# KiCad board pedalboard-hw.kicad_pcb (continued)
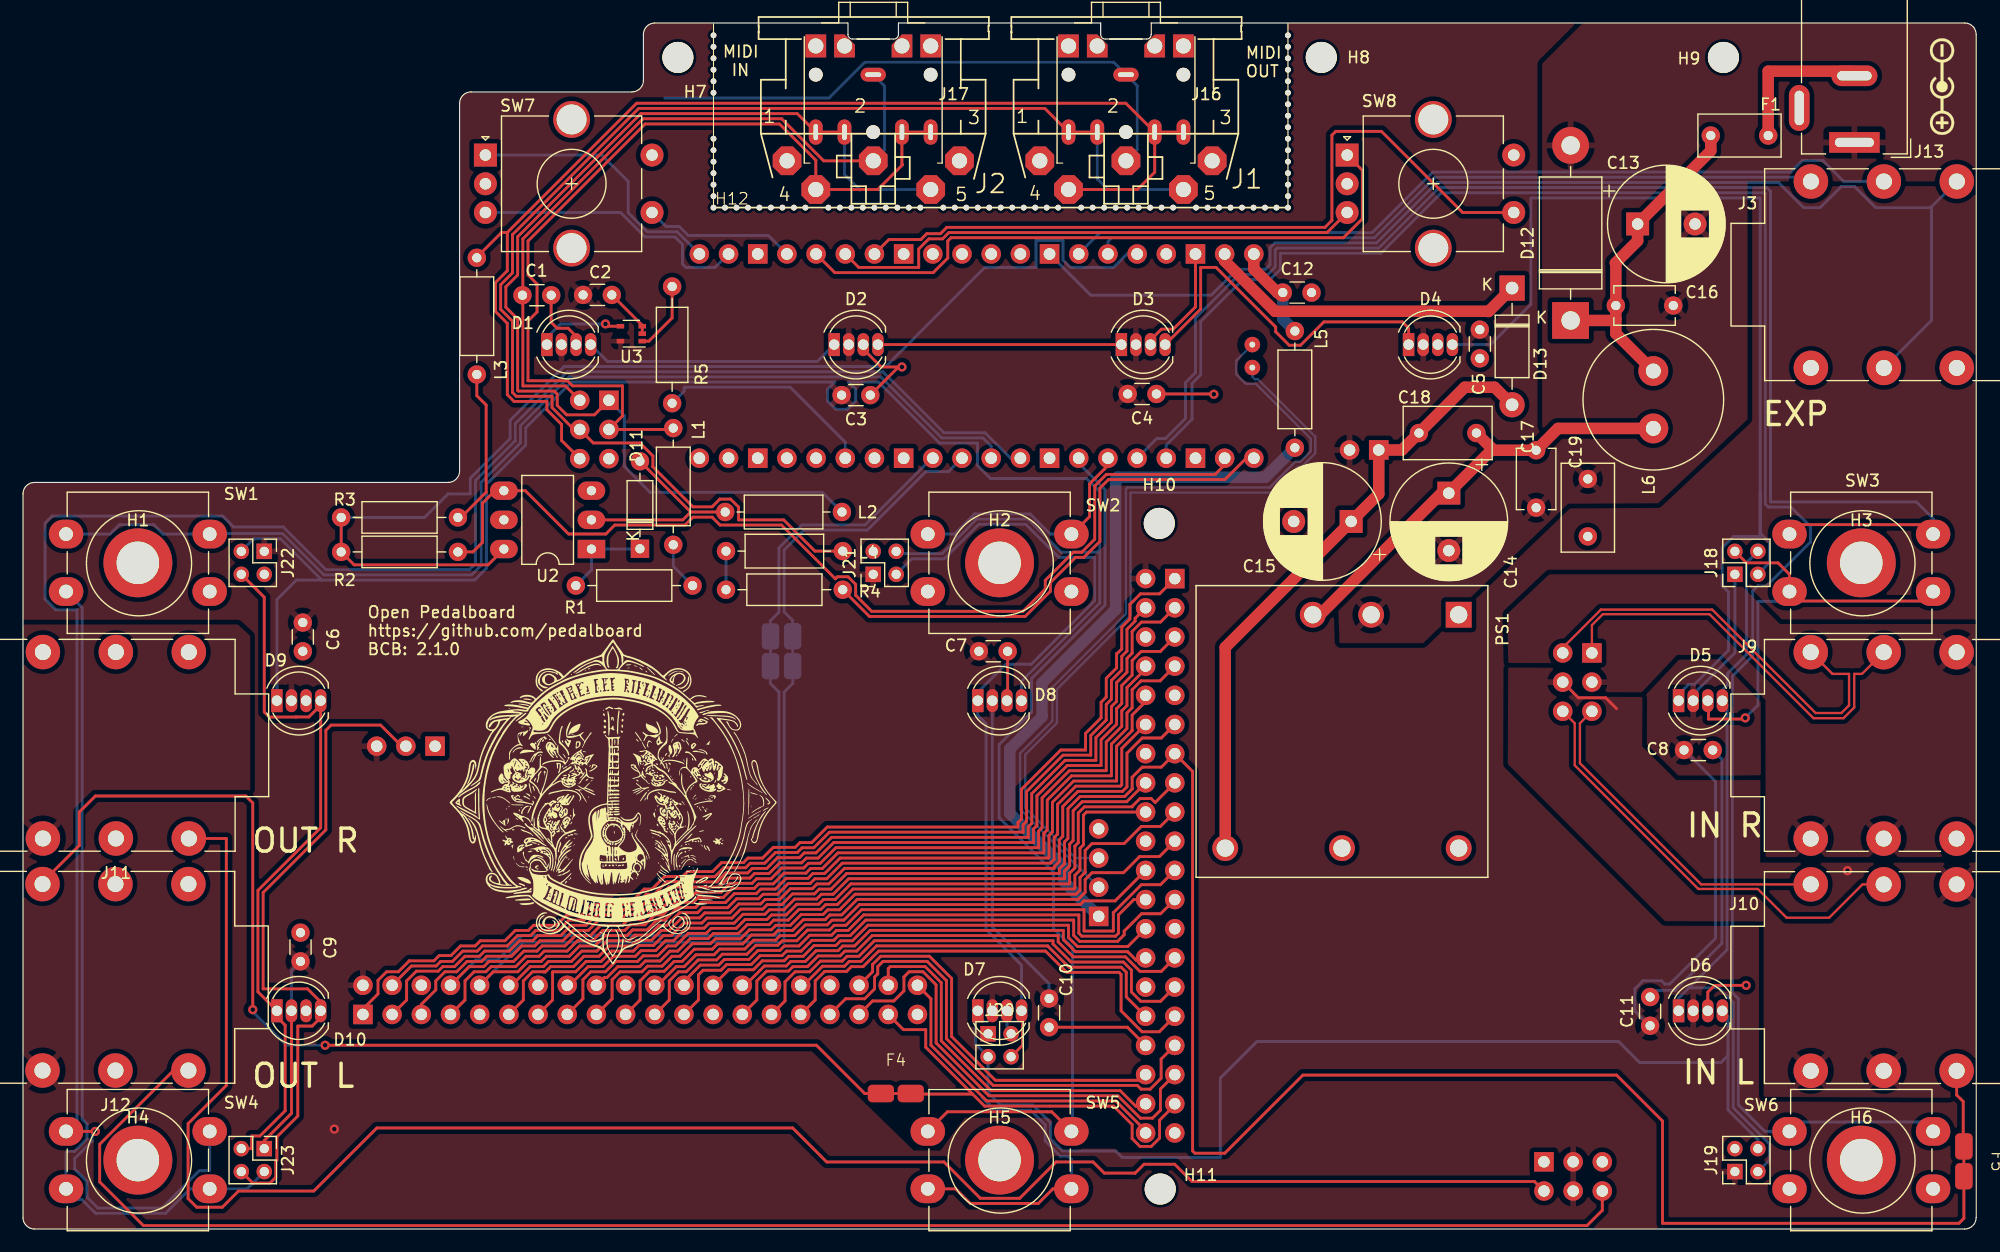
[diagram p0: board, top side]
## Nets
+3.3V: R2.1 R3.1 U1.36 U2.6
+5VD: C15.1 C18.2 D13.2 J14.1 PS1.4
+5VP: C2.1 C3.1 C4.1 C5.1 C6.1 C7.1 C8.1 C9.1 C10.1 C11.1 D1.2 D2.2 D3.2 D4.2 D5.2 D6.2 D7.2 D8.2 D9.2 D10.2 J4.3 J7.2 J8.2 J14.2 J18.1 J19.1 J20.1 J21.1 J22.1 J23.1 U3.5
/Audio/GND_in_L: J8.44 J10.RN J10.S J10.TN
/Audio/GND_in_R: J8.43 J9.RN J9.S J9.TN
/Audio/GND_out: J8.49 J8.50 J11.S J12.S
/MIDI/VBUS_FILTERED: C12.1 L5.1 U1.40
/Power Supply/vin: C14.1 C17.1 C18.1 L6.2 PS1.3
/VBUS: J6.1 L5.2
GND: C1.2 C2.2 C3.2 C4.2 C5.2 C6.2 C7.2 C8.2 C9.2 C10.2 C11.2 C12.2 C15.2 C19.1 D1.3 D2.3 D3.3 D4.3 D5.3 D6.3 D7.3 D8.3 D9.3 D10.3 J1.2 J4.1 J6.4 J7.6 J7.9 J7.14 J7.20 J7.25 J7.30 J7.34 J7.39 J8.6 J8.9 J8.14 J8.20 J8.25 J8.30 J8.34 J8.39 J15.5 J16.S J18.2 J19.2 J20.2 J21.2 J22.2 J23.2 PS1.6 SW1.2 SW2.2 SW3.2 SW4.2 SW5.2 SW6.2 SW7.C SW7.S2 SW8.C SW8.S2 U1.3 U1.8 U1.13 U1.18 U1.23 U1.28 U1.38 U2.5 U3.2 U3.3
/Audio/audio_in_stereo: F5.2 J7.13 J8.13
/Audio/audio_out_stereo: F4.2 J7.37 J8.37
/Audio/audio_pcm_clk: J7.12 J8.12
/Audio/audio_pcm_din: J7.38 J8.38
/Audio/audio_pcm_dout: J7.40 J8.40
/Audio/audio_pcm_fs: J7.35 J8.35
/Audio/conf_i2c_scl: J7.5 J8.5
/Audio/conf_i2c_sda: J7.3 J8.3
/Audio/in_L+: J8.45 J10.T
/Audio/in_L-: J8.46 J10.R
/Audio/in_R+: J8.42 J9.T
/Audio/in_R-: J8.41 J9.R
/Audio/INT_MIDI_RX: F2.1 J7.10 J8.10
/Audio/INT_MIDI_TX: F3.1 J7.8 J8.8
/Audio/USB_DN: J5.1 J6.2
/Audio/USB_DP: J5.2 J6.3
/LEDs/RGB_DATA: R5.1 U1.15
/MIDI/EXT_MIDI_RX: R2.2 U1.2 U2.4
/MIDI/EXT_MIDI_TX: R4.2 U1.1
/MIDI/ROT_GAIN_A: SW8.A U1.25
/MIDI/ROT_GAIN_B: SW8.B U1.26
/MIDI/ROT_VOL_A: SW7.A U1.21
/MIDI/ROT_VOL_B: SW7.B U1.22
/MIDI/SW_A: SW4.1 U1.9
/MIDI/SW_B: SW5.1 U1.7
/MIDI/SW_C: SW6.1 U1.4
/MIDI/SW_D: SW1.1 U1.10
/MIDI/SW_E: SW2.1 U1.6
/MIDI/SW_F: SW3.1 U1.5
/MIDI/SW_GAIN: SW8.S1 U1.27
/MIDI/SW_VOL: SW7.S1 U1.24
/MIDI/VSYS: D13.1 U1.39
/Power Supply/fused: C13.1 C16.1 D12.1 F1.2 L6.1
/Power Supply/power_input_gnd: C13.2 C14.2 C16.2 C17.2 C19.2 D12.2 J13.1 PS1.2
/Power Supply/unfused: F1.1 J13.2
Net-(D1-DIN): D1.1 U3.4
Net-(D1-DOUT): D1.4 D2.1
Net-(D2-DOUT): D2.4 D3.1
Net-(D3-DOUT): D3.4 D4.1
Net-(D4-DOUT): D4.4 D5.1 J18.3
Net-(D5-DOUT): D5.4 D6.1 J18.4 J19.3
Net-(D6-DOUT): D6.4 D7.1 J19.4 J20.3
Net-(D7-DOUT): D7.4 D8.1 J20.4 J21.3
Net-(D8-DOUT): D8.4 D9.1 J21.4 J22.3
Net-(D10-DIN): D9.4 D10.1 J22.4 J23.3
Net-(D10-DOUT): D10.4 J4.2 J23.4
Net-(D11-A): D11.2 L2.2 U2.2
Net-(D11-K): D11.1 R1.2 U2.1
Net-(F4-Pad1): F4.1 J12.SN
Net-(F5-Pad1): F5.1 J10.SN
Net-(J7-3V3-Pad1): J7.1 J8.1
Net-(J7-3V3-Pad17): J7.17 J8.17
Net-(J7-5V-Pad4): J7.4 J8.4
Net-(J7-GCLK0/GPIO4): J7.7 J8.7
Net-(J7-GCLK1/GPIO5): J7.29 J8.29
Net-(J7-GCLK2/GPIO6): J7.31 J8.31
Net-(J7-GPIO16): J7.36 J8.36
Net-(J7-GPIO17): J7.11 J8.11
Net-(J7-GPIO22): J7.15 J8.15
Net-(J7-GPIO23): J7.16 J8.16
Net-(J7-GPIO24): J7.18 J8.18
Net-(J7-GPIO25): J7.22 J8.22
Net-(J7-ID_SC/GPIO1): J7.28 J8.28
Net-(J7-ID_SD/GPIO0): J7.27 J8.27
Net-(J7-MISO0/GPIO9): J7.21 J8.21
Net-(J7-MOSI0/GPIO10): J7.19 J8.19
Net-(J7-PWM0/GPIO12): J7.32 J8.32
Net-(J7-PWM1/GPIO13): J7.33 J8.33
Net-(J7-SCLK0/GPIO11): J7.23 J8.23
Net-(J7-~{CE0}/GPIO8): J7.24 J8.24
Net-(J7-~{CE1}/GPIO7): J7.26 J8.26
Net-(J8-out_L): J8.52 J12.T
Net-(J8-out_R): J8.48 J11.T
Net-(J15-Pin_1): J2.5 J15.1 J17.T J17.TN L2.1
Net-(J15-Pin_2): C1.1 J2.2 J15.2 J17.S
Net-(J15-Pin_3): J2.4 J15.3 J17.R J17.RN L1.1
Net-(J15-Pin_4): J1.5 J15.4 J16.T J16.TN L4.1
Net-(J15-Pin_6): J1.4 J15.6 J16.R J16.RN L3.1
Net-(L1-Pad2): L1.2 R1.1
Net-(L3-Pad2): L3.2 R3.2
Net-(L4-Pad2): L4.2 R4.1
Net-(U1-ADC_VREF): J3.T U1.35
Net-(U1-AGND): J3.RN J3.S U1.33
Net-(U1-GPIO8): F2.2 U1.11
Net-(U1-GPIO9): F3.2 U1.12
Net-(U1-GPIO28_ADC2): J3.R U1.34
Net-(U3-A): R5.2 U3.1

Pads without a net: J1 1 3 PE PE1 PE2 PE@; J2 1 3 PE PE1 PE2 PE@; J3 SN TN; J8 47 51; J9 SN; J11 R RN SN TN; J12 R RN TN; J13 3; PS1 1 5; SW7 MP; SW8 MP; U1 14 16 17 19 20 29 30 31 32 37; U2 3

## Via types
v1: diameter 0.8, hole 0.4, Top to Bottom, 10 vias

## Routing (per net, layer and track width the routed paths; a pad name or vN(x,y) marks a point on that pad's centre or on a via; arc(x,y) is an arc through that point)
+3.3V: length 103
  Top w0.25: R3.1 R2.1 28.82,57.83 40.48,57.83 U2.6
  Bottom w0.25: R3.1 34.95,61.95 37,64 38.93,64 38.93,65.35 42.4,68.82 42.4,70.4 47.08,75.09 75.08,75.09 83.72,83.72 88.17,83.72 88.17,86.06 90.53,86.06 90.53,84.35 91.16,83.72 94.92,83.72 96.09,84.89 U1.36
+5VD: length 54.7
  Top w1: PS1.4 104.64,50.64 C15.1 118,64 J14.1 120.03,67.83 C18.2 125.49,73.29 128.08,73.29 D13.2
+5VP: length 87.8
  Top w0.25: J23.1 21,7.7 23.37,10.07 D10.2
  Bottom w0.25: C10.1 89.31,21.36 84.37,26.3 D8.2 ; 145.68,46.62 145.68,46.85 149,50.17 J18.1 ; 141.62,17.63 140.3,18.95 140.3,20.92 141,21.62 142.61,21.62 142.9,21.33 143.33,21.33 147.32,25.32 147.32,38.95 C8.1 ; C9.1 23.37,22.52 D10.2
/Audio/GND_in_L: length 5.6
  Top w0.25: 138.7,45.3 137.75,46.25 135.38,46.25 J8.44
  vias: v1(158.8,31.2)
/Audio/GND_out:
  vias: v1(27.1,8.7)
/MIDI/VBUS_FILTERED: length 8.5
  Top w1: C12.1 109.18,81.53 107.13,83.58 U1.40
  Bottom w1: L5.1 109.64,79.24 109.64,79.69 109.65,79.69 C12.1
/Power Supply/vin: length 37.6
  Top w1: 123.97,64.07 123.47,64.07 112.88,53.48 ; 127.8,67.8 C17.1 133.6,69.7 L6.2 ; 127.8,67.8 124.1,64.1 ; 127.8,67.8 127.8,68 C18.1
/VBUS: length 61.8
  Bottom w1: L5.2 108.14,65.46 95.28,65.46 95.1,65.28 95.1,53.94 88.69,47.53 88.69,44.6 85.88,41.79 85.88,36.18 90.6,31.47 90.6,30.24 J6.1
GND: length 268.9
  Top w0.25: v1(149.9,44.5) 149.8,44.4 146.7,44.4 146.7,45.58 ; U1.38 102.05,80.28 100.11,78.34 99.08,78.34 98.14,77.4 98.14,77.31 ; J18.2 150,58 152.75,58 153.75,57 SW3.2 154.57,54.67 165.43,54.67 SW3.2 ; v1(149.98,21.22) 147.23,21.22 146.64,20.62 D6.3 ; C3.2 76.2,75.05 v1(76.5,75.05) 74.69,75.05 73.14,76.6 D2.3 ; SW5.2 89.64,3.5 88.36,2.22 82.45,2.22 81.18,3.5 SW5.2 ; C2.2 53.9,78.67 U3.3 U3.2 ; J8.34 96.12,17.57 C10.2 ; C7.2 85.7,46.06 ; v1(103.65,72.68) 103.63,72.7 C4.2 ; C1.2 45.97,81.3 45.97,78.94 46.49,78.42 47.44,78.42 48.14,77.73 D1.3
  Bottom w0.25: 55.86,98.46 70.15,98.46 73.27,101.58 94.92,101.58 J16.S 96.97,99.53 96.97,93.97 J1.2 ; v1(149.9,44.5) 151,45.6 151,54.65 152.9,54.65 ; C8.2 147.87,40.9 147.87,24.87 143.78,20.78 142.2,20.78 C11.2 ; 83.47,11.47 84.59,10.35 87.7,10.35 88.97,9.07 88.97,7.66 90.3,6.34 90.98,6.34 91.25,6.07 SW5.2 ; SW1.2 5.15,54.1 5.15,9.58 5.57,9.15 5.57,7.85 4.49,6.76 3.84,6.76 3.75,6.67 SW4.2 4.68,2.57 5.12,2.57 6.32,1.37 12.41,1.37 14.54,3.5 SW4.2 19.5,3.5 J23.2 ; D7.3 85.64,17.36 ; SW6.2 154.58,2.67 ; 165.42,2.67 SW6.2
/Audio/audio_in_stereo: length 189.4
  Top w0.25: J7.13 46.09,19.94 46.09,22.37 46.11,22.39 48.11,22.39 49.01,23.3 50.32,23.3 51.22,24.19 53.12,24.19 53.61,24.68 54.88,24.68 55.74,25.55 56.43,25.55 57.52,26.64 59.09,26.64 59.53,27.07 61.7,27.07 62.48,27.85 64.39,27.85 64.78,28.25 66.05,28.25 66.98,29.18 68.89,29.18 69.3,29.59 70.33,29.59 71.68,30.95 90.2,30.95 90.2,31.35 90.65,31.8 90.65,33.71 90.95,34.01 90.95,36.6 92.01,37.65 95.88,37.65 96.56,38.33 96.53,38.36 96.53,39.33 97.41,40.21 99.08,40.21 J8.13 101.8,39.83 101.8,6.8 102,6.6 104.6,6.6 111.4,13.4 138.7,13.4 142.7,9.4 142.7,0.5 168.5,0.5 168.93,0.93 F5.2
/Audio/audio_out_stereo: length 39.1
  Top w0.25: 82.65,11.75 83.7,10.7 94.93,10.7 96.53,9.1 96.53,7.88 97.22,7.19 98.2,7.19 98.92,7.92 98.92,9.47 100.25,10.8 ; 82.65,11.75 78.58,15.83 78.58,17.36 76.63,17.36 J7.37 ; 82.65,11.75 77.32,11.75 F4.2
/Audio/audio_pcm_clk: length 69.1
  Top w0.25: 42.53,21.22 44.16,22.84 45.29,22.84 45.74,23.3 47.73,23.3 48.63,24.19 49.94,24.19 50.84,25.09 52.75,25.09 53.24,25.58 54.51,25.58 55.37,26.44 56.05,26.44 57.15,27.54 58.72,27.54 59.15,27.97 61.33,27.97 62.11,28.75 64.01,28.75 64.41,29.14 65.67,29.14 66.61,30.08 68.51,30.08 68.93,30.5 69.95,30.5 71.31,31.85 89.42,31.85 89.75,32.18 89.75,34.08 90.05,34.38 90.05,36.97 91.63,38.55 95.51,38.55 95.63,38.68 95.63,41.85 J8.12
/Audio/audio_pcm_din: length 31.7
  Top w0.25: 97.51,10.7 96.84,10.7 95.49,12.05 84.26,12.05 79.92,16.38 79.92,21.44 78.52,22.85 75.49,22.85 75.31,22.67 J7.38
/Audio/audio_pcm_dout: length 27.5
  Top w0.25: J7.40 79.03,20.05 79.03,16.01 83.89,11.15 95.12,11.15 97.71,8.56
/Audio/audio_pcm_fs: length 40.6
  Top w0.25: J7.35 73.94,19.86 75.8,19.86 76.67,20.73 76.67,21.95 77.13,22.4 78.33,22.4 79.47,21.26 79.47,16.2 84.07,11.6 95.3,11.6 97.25,9.65 98.31,9.65 99,10.34 99,12.19 J8.35
/Audio/conf_i2c_scl: length 86.1
  Top w0.25: J7.5 34.67,19.56 35.93,20.82 35.93,21.6 36.72,22.39 37.75,22.39 38.65,23.3 39.92,23.3 40.37,23.75 42.51,23.75 43.41,24.64 44.55,24.64 45,25.09 46.99,25.09 47.89,26 49.2,26 50.1,26.89 52,26.89 52.49,27.38 53.76,27.38 54.62,28.25 55.31,28.25 56.4,29.34 57.97,29.34 58.41,29.77 60.59,29.77 61.36,30.55 63.27,30.55 63.66,30.94 64.93,30.94 65.86,31.88 67.77,31.88 68.18,32.3 69.21,32.3 70.56,33.65 87.95,33.65 87.95,34.83 88.25,35.13 88.25,37.72 90.89,40.35 93.83,40.35 93.83,42.59 95.19,43.94 95.19,45.3 95.64,45.75 95.64,47.32 96.53,48.22 96.53,49.49 97.33,50.28 98.99,50.28 J8.5
/Audio/conf_i2c_sda: length 90.5
  Top w0.25: J8.3 99.01,52.84 97.35,52.84 96.53,52.03 96.53,50.13 96.08,49.68 96.08,48.48 95.19,47.58 95.19,45.94 94.73,45.49 94.73,44.13 93.38,42.78 93.38,40.8 90.7,40.8 87.8,37.9 87.8,35.31 87.5,35.01 87.5,34.1 70.38,34.1 69.02,32.75 68,32.75 67.58,32.33 65.68,32.33 64.74,31.39 63.48,31.39 63.08,31 61.18,31 60.4,30.22 58.22,30.22 57.79,29.79 56.22,29.79 55.12,28.69 54.43,28.69 53.57,27.83 52.31,27.83 51.82,27.34 49.91,27.34 49.01,26.44 47.7,26.44 46.8,25.55 44.81,25.55 44.36,25.09 43.22,25.09 42.33,24.2 40.18,24.2 39.73,23.75 38.46,23.75 37.56,22.84 36.54,22.84 36.14,22.45 34.24,22.45 33.39,21.6 33.39,19.94 J7.3
/Audio/in_L+: length 29.4
  Top w0.2: J8.45 135.51,44.03 135.51,40.56 146.06,30 J10.T
/Audio/in_L-: length 38.7
  Top w0.2: J8.46 135.06,44.03 135.06,40.37 145.83,29.61 151,29.61 153.5,27.1 157.2,27.1 160.1,30 J10.R
/Audio/in_R+: length 37.2
  Top w0.2: J9.T 157.49,48.33 158.94,48.33 158.94,45.59 158.27,44.92 156.02,44.92 147.02,53.93 137.34,53.93 134.01,50.61
/Audio/in_R-: length 36.1
  Top w0.2: J9.R 160.06,48.33 159.38,48.33 159.38,45.41 158.45,44.47 155.84,44.47 146.78,53.53 137.51,53.53 136.56,52.58 J8.41
/Audio/INT_MIDI_RX: length 125.8
  Top w0.25: J7.10 40.92,22.39 43.07,22.39 43.97,23.3 45.11,23.3 45.56,23.75 47.55,23.75 48.45,24.64 49.76,24.64 50.66,25.55 52.56,25.55 53.05,26.03 54.32,26.03 55.18,26.89 55.87,26.89 56.96,27.99 58.53,27.99 58.97,28.42 61.15,28.42 61.92,29.2 63.83,29.2 64.22,29.59 65.49,29.59 66.42,30.53 68.33,30.53 68.74,30.94 69.77,30.94 71.12,32.3 89.24,32.3 89.3,32.36 89.3,34.27 89.6,34.57 89.6,37.16 91.45,39 95.18,39 95.18,42.04 96.56,43.41 96.53,43.44 96.53,44.74 97.71,45.92
  Bottom w0.25: 67,49 67,47.5 66.25,46.75 66.25,25.02 66.2,24.97 43.5,24.97 J7.10
/Audio/INT_MIDI_TX: length 131.6
  Top w0.25: J7.8 38.84,22.84 40.1,22.84 40.56,23.3 42.7,23.3 43.6,24.19 44.73,24.19 45.18,24.64 47.18,24.64 48.08,25.55 49.39,25.55 50.29,26.44 52.19,26.44 52.68,26.93 53.95,26.93 54.81,27.8 55.5,27.8 56.59,28.89 58.16,28.89 58.59,29.32 60.77,29.32 61.55,30.1 63.45,30.1 63.85,30.5 65.12,30.5 66.05,31.43 67.95,31.43 68.37,31.84 69.39,31.84 70.75,33.2 88.4,33.2 88.4,34.64 88.7,34.94 88.7,37.53 91.07,39.9 94.28,39.9 94.28,42.41 95.64,43.76 95.64,45.12 96.08,45.57 96.08,47.14 97.71,48.76
  Bottom w0.25: J7.8 39.4,23.41 41.3,23.41 43.47,25.57 65.8,25.57 65.8,46.76 65.79,46.76 65.05,47.5 65.05,48.99
/Audio/USB_DN: length 71.9
  Bottom w0.2: J6.2 91.5,31.88 91.46,31.88 86.78,36.56 86.78,41.42 89.59,44.23 89.59,47.16 96,53.57 96,64.44 96.12,64.56 108.51,64.56 110.76,66.81 111.18,66.81 112.08,67.7 112.08,68.81 107.31,73.59 106.42,73.59 105.59,74.42 105.59,75.59 J5.1
/Audio/USB_DP: length 66.8
  Bottom w0.2: J5.2 107,74.2 107.21,73.99 107.47,73.99 112.48,68.98 112.48,67.54 111.3,66.35 110.94,66.35 108.7,64.11 96.4,64.11 96.4,53.4 90,47 90,44.06 87.23,41.3 87.23,36.67 91.61,32.3 J6.3
/LEDs/RGB_DATA: length 19.2
  Bottom w0.25: U1.15 71.57,68.5 66.78,73.28 57.55,73.28 57.55,72.94 R5.1
/MIDI/EXT_MIDI_RX: length 84
  Top w0.25: 104.59,66.53 103.76,65.7 94.29,65.7 93.28,64.69 93.28,60.05 92.15,58.92 91.42,58.92 88.97,56.47 88.97,55.72 87.04,53.78 73.87,53.78 72.47,55.17 72.47,56.13 71.82,56.78 70.88,56.78 70.71,56.61 66.02,61.29 60.66,61.29 60,61.96 60,61.98 58.31,61.98 57.62,61.29 51.51,61.29 50.73,60.51 47.49,60.51 43.72,64.28 42.23,64.28 ; 38.38,58.95 39.16,58.95 40,59.78 40,63.2 41.08,64.28
/MIDI/EXT_MIDI_TX: length 45
  Top w0.25: 106.47,67.11 104.61,65.25 94.48,65.25 93.73,64.5 93.73,59.87 92.34,58.47 91.61,58.47 89.42,56.29 89.42,55.53 87.23,53.33 73.68,53.33 R4.2
/MIDI/ROT_GAIN_A: length 57.1
  Top w0.25: U1.25 70.66,83.27 79.23,83.27 80.49,84.53 80.49,86.02 80.77,86.3 114.93,86.3 116.57,87.95 116.57,92.17 SW8.A
/MIDI/ROT_GAIN_B: length 47.1
  Top w0.25: U1.26 72.75,83.72 77.96,83.72 77.96,85.32 78.84,86.21 80.04,86.21 80.59,86.75 113.5,86.75 SW8.B
/MIDI/ROT_VOL_A: length 23.8
  Bottom w0.25: SW7.A 50.38,93.5 52.67,91.2 52.67,88.47 54.33,86.83 56.94,86.83 U1.21
/MIDI/ROT_VOL_B: length 24.6
  Bottom w0.25: U1.22 60.23,83.72 57.69,83.72 57.4,84.01 57.4,85.72 56.75,86.38 54.14,86.38 52.01,88.5 SW7.B
/MIDI/SW_A: length 183.4
  Top w0.25: v1(6.3,8.5) SW4.1
  Bottom w0.25: U1.9 85.95,67.11 83.73,69.32 80.15,69.32 74.84,74.63 47.36,74.63 42.85,70.12 42.85,68.62 42.84,68.62 39.38,65.17 39.38,57.92 38.86,57.4 26.37,57.4 22.65,61.12 18.33,61.12 17.38,62.08 2.54,62.08 1.93,61.46 1.93,54.85 2.86,53.91 4.7,53.91 4.7,9.45 SW4.1 ; SW4.1 16.25,5.08 15.35,5.08 12.09,1.82 6.51,1.82 5.57,2.75 5.57,4.15 4.5,5.23 4.5,6.14 6.02,7.66 6.02,8.23 v1(6.3,8.5)
/MIDI/SW_B: length 79.4
  Top w0.25: SW5.1 80.46,10.21 89.12,10.21 89.13,10.2 89.51,10.2 89.52,10.21 89.54,10.21 SW5.1
  Bottom w0.25: 91.35,8.6 91.35,24.52 89.68,26.19 89.68,31.08 84.96,35.8 84.96,42.18 87.77,44.99 87.77,47.92 94.17,54.32 94.17,64.38 91.89,66.67
/MIDI/SW_C: length 172
  Bottom w0.25: SW6.1 165.43,9.33 158.62,9.33 158.61,9.31 154.56,9.31 SW6.1 151.6,8.5 149.3,10.8 149.3,20.05 148.78,20.57 148.78,47.14 148.8,47.16 148.8,48.16 150.55,49.91 150.55,55.55 151,56 151.77,56 155.57,59.8 155.57,61.15 153.88,62.85 151.91,62.85 151.65,63.11 151.65,90.15 151.58,90.22 123.46,90.22 118.18,84.95 109.44,84.95 109.44,83.56 108.56,82.67 108.56,82.66 106.17,82.66 102.5,79 102.5,74.37 101.75,73.62 101.75,70.5 99.5,68.25 99.5,67.12
/MIDI/SW_D: length 98.5
  Bottom w0.25: 16.3,60.55 22.59,60.55 26.19,56.95 39.05,56.95 39.88,57.78 39.88,65.02 43.3,68.44 43.3,69.94 47.55,74.19 74.66,74.19 79.97,68.87 83.55,68.87 84.27,68.15 U1.10 ; SW1.1 12.23,60.5 12.22,60.49 11.38,61.33 8.41,61.33 7.58,60.5 SW1.1
/MIDI/SW_E: length 21.2
  Top w0.25: 91.31,60.5 92.83,62.02 92.83,64.87 94.11,66.15 94.11,66.15 94.43,66.47
  Bottom w0.25: SW2.1 81.06,60.5 82.82,62.26 87.65,62.26 89.41,60.5 SW2.1
/MIDI/SW_F: length 126.8
  Top w0.25: SW3.1 165.43,61.32 161.38,61.32 161.38,61.33 154.57,61.33 SW3.1
  Bottom w0.25: SW3.1 166.25,61.85 164.8,63.3 152.1,63.3 152.1,90.34 151.77,90.67 123.27,90.67 118,85.4 109.15,85.4 108.99,85.24 108.99,83.74 108.35,83.11 105.86,83.11 102.06,79.3 102.06,74.56 101.18,73.69 101.18,70.57 99.43,68.82 98.68,68.82 U1.5
/MIDI/SW_GAIN: length 67.3
  Top w0.25: U1.27 75.37,86.15 78.15,86.15 78.66,86.66 79.85,86.66 80.4,87.2 113.32,87.2 113.93,87.81 113.93,95.23 114.25,95.56 118.24,95.56 125.3,88.5 SW8.S1
/MIDI/SW_VOL: length 13.2
  Bottom w0.25: U1.24 64.88,86.5 57.9,86.5 57.12,87.28 55.97,87.28 SW7.S1
/MIDI/VSYS: length 28.3
  Top w1: U1.39 104.59,84.28 108.97,79.9 127.46,79.9 127.47,79.89 127.57,79.89 D13.1
/Power Supply/fused: length 29.3
  Top w1: 138.64,79.2 C16.1 138.64,84.06 138.6,84.1 140.53,86.03 C13.1 146.9,93.87 F1.2 ; 138.64,79.2 138.64,77.96 L6.1 ; 138.64,79.2 138.54,79.1 D12.1
/Power Supply/unfused: length 12.7
  Top w1: F1.1 151.9,100.8 159,100.8
Net-(D1-DIN): length 7.6
  Top w0.25: U3.4 50.9,78.6 v1(50.7,78.8)
  Bottom w0.25: v1(50.7,78.8) 46.8,78.8 45.6,77.6 D1.1
Net-(D1-DOUT): length 22.4
  Bottom w0.25: D1.4 50.88,75.53 69.14,75.53 D2.1
Net-(D2-DOUT): length 21.2
  Top w0.25: D2.4 D3.1
Net-(D3-DOUT): length 31.6
  Top w0.25: D3.4 102.5,80.09 102.5,83.72 103.85,83.72 109.03,78.53 109.03,78.12 110.2,76.94 111.2,76.94 113.23,78.97 120.06,78.97 120.6,78.43 D4.1
Net-(D4-DOUT): length 93.8
  Bottom w0.25: 151.2,64.2 151.2,89.77 131.28,89.77 131.24,89.73 131.24,80.51 127.73,77 D4.4 ; 151.2,64.2 151.2,60.3 148.89,60.3 147.9,59.31 147.9,56 148.45,55.45 148.45,50.4 145.48,47.42 144.99,47.42 144.1,46.54 144.1,46.45 ; 151.2,64.2 151.2,60.57 152,59.77 152,58 J18.3
Net-(D5-DOUT): length 63.7
  Bottom w0.25: J19.3 152,6 152,7.41 148.85,10.56 148.85,19.73 147.58,21 145,21 ; 145,21 144.1,20.1 144.1,19.36 ; 145,21 148.32,24.32 148.32,45.59 D5.4 147.91,46.91 148.35,47.35 148.35,48.35 150,50 150,58 J18.4
Net-(D6-DOUT): length 97.9
  Bottom w0.25: J19.4 151,7.78 148.4,10.38 148.4,15.51 ; 82.9,18.8 82.9,16.1 J20.3 84,11.87 85.07,10.8 87.89,10.8 89.42,9.26 89.42,7.85 90.48,6.79 95.11,6.79 95.67,6.23 104.21,6.23 104.21,13.14 107.41,16.33 138.87,16.33 140.7,14.5 147.8,14.5 148.4,15.1 148.4,15.51 ; D6.4 148.4,18.51 148.4,15.51
Net-(D7-DOUT): length 70.4
  Top w0.25: 87,18.91 87,16 J20.4
  Bottom w0.25: D8.1 83.1,44.72 83.82,44 83.82,26.07 86.91,22.98 D7.4 ; 83.1,46.73 85.54,49.17 87.75,49.17 93.28,54.69 93.28,58.47 90.16,58.47 87.28,61.36 83.2,61.36 80.19,58.35 77.35,58.35 J21.3
Net-(D8-DOUT): length 154
  Bottom w0.25: J22.3 20.1,60.1 22.4,60.1 26,56.5 ; 93.72,58.97 93.72,54.51 86.91,47.69 D8.4 ; 26,56.5 39.31,56.5 40.33,57.52 40.33,64.83 43.75,68.25 43.75,69.75 47.73,73.73 70.65,73.73 70.03,73.11 70.03,72.09 70.74,71.38 71.76,71.38 72.47,72.09 72.47,73.11 71.85,73.73 74.47,73.73 79.78,68.42 83.07,68.42 83.07,66.48 84.2,65.35 92.57,65.35 93.72,64.2 93.72,59.12 93.53,58.92 90.35,58.92 87.46,61.81 83.01,61.81 80,58.8 76.2,58.8 ; 26,56.5 23.8,56.5 22.1,54.8 D9.1
Net-(D10-DIN): length 62.7
  Top w0.25: D10.1 20.45,20.65 20.45,29.48 25.91,34.94 D9.4 ; J22.4 21,55 21,45.02 21.44,44.58 23.75,44.58 23.76,44.58 24.89,44.58 25.91,45.6 25.91,45.64 ; J23.3 19.9,7 19.9,8.1 20.62,8.1 22.82,10.3 22.82,17.74 22.1,18.46 22.1,18.55
Net-(D10-DOUT): length 58.7
  Top w0.25: 25.91,19.36 25.91,19.77 24.77,20.91 20.9,20.91 20.9,29.29 26.36,34.75 26.36,43.42 26.82,43.87 31.13,43.87 32.96,42.04 J4.2 ; J23.4 20,4 21.5,4 22,4.5 22,5.9 22.1,6 22.1,8.02 23.92,9.84 23.92,17.67 25.17,17.67 25.91,18.41 25.91,18.69
Net-(D11-A): length 18.2
  Top w0.25: D11.2 58.12,62.42 ; 58.12,62.42 57.44,61.74 U2.2 ; 58.12,62.42 L2.2
Net-(D11-K): length 7.9
  Bottom w0.25: 53.67,59.2 U2.1 49.47,57.38 R1.2
Net-(F4-Pad1): length 99.2
  Top w0.25: v1(26.3,16) 69.06,16 73.26,11.8 F4.1 ; 1.7,30.2 4.9,33.4 4.9,36.3 6.3,37.7 19.4,37.7 20,37.1 v1(20,19.1)
  Bottom w0.25: v1(26.3,16) 22.9,16 20,18.9 v1(20,19.1)
Net-(F5-Pad1): length 6.8
  Top w0.25: 168.3,13.78 168.3,11.67 168.87,11.1 168.87,7.25
Net-(J7-3V3-Pad1): length 93.8
  Top w0.25: 29.59,19.16 30.9,20.47 30.9,21.65 31.64,22.39 32.67,22.39 33.62,23.35 35.77,23.35 36.23,23.81 37.25,23.81 38.09,24.64 39.36,24.64 39.81,25.1 41.96,25.1 42.85,26 43.99,26 44.44,26.44 46.43,26.44 47.33,27.34 48.64,27.34 49.54,28.25 51.44,28.25 51.93,28.73 53.2,28.73 54.06,29.59 54.75,29.59 55.84,30.69 57.41,30.69 57.85,31.12 60.03,31.12 60.8,31.9 62.71,31.9 63.1,32.3 64.37,32.3 65.3,33.23 67.21,33.23 67.62,33.64 68.65,33.64 70,35 86.6,35 86.6,35.38 86.9,35.68 86.9,38.28 90.33,41.7 92.48,41.7 92.48,43.15 93.83,44.5 93.83,45.86 94.28,46.31 94.28,47.95 95.19,48.85 95.19,50.12 ; J8.1 98.93,55.3 97.26,55.3 96.34,54.38 96.34,53.11 95.64,52.4 95.64,50.5 95.19,50.05
Net-(J7-3V3-Pad17): length 60.4
  Top w0.25: J8.17 99,35.05 97.33,35.05 95.84,33.56 93.05,33.56 92.45,32.96 92.45,31.06 92,30.61 92,29.5 91.65,29.15 72.43,29.15 71.07,27.8 70.05,27.8 69.63,27.38 67.73,27.38 66.79,26.44 65.53,26.44 65.13,26.05 63.23,26.05 62.45,25.27 60.27,25.27 59.84,24.84 58.27,24.84 57.17,23.75 56.48,23.75 55.62,22.88 54.36,22.88 53.87,22.39 51.96,22.39 51.28,21.71 51.28,20.05 J7.17
Net-(J7-5V-Pad4): length 85.8
  Top w0.25: J7.4 33.81,22.9 35.96,22.9 36.35,23.3 37.38,23.3 38.28,24.19 39.54,24.19 40,24.65 42.14,24.65 43.04,25.55 44.17,25.55 44.62,26 46.62,26 47.52,26.89 48.83,26.89 49.73,27.8 51.63,27.8 52.12,28.28 53.39,28.28 54.25,29.14 54.94,29.14 56.03,30.24 57.6,30.24 58.03,30.67 60.21,30.67 60.99,31.45 62.89,31.45 63.29,31.84 64.56,31.84 65.49,32.78 67.39,32.78 67.81,33.19 68.84,33.19 70.19,34.55 87.05,34.55 87.05,35.2 87.35,35.5 87.35,38.09 90.51,41.25 92.93,41.25 92.93,42.97 94.28,44.32 94.28,45.68 94.73,46.13 94.73,47.76 95.64,48.66 95.64,49.86 96.08,50.31 96.08,52.22 96.79,52.93 96.79,53.17 J8.4
Net-(J7-GCLK0/GPIO4): length 82.4
  Top w0.25: J8.7 98.97,47.72 97.31,47.72 96.53,46.95 96.53,45.38 96.08,44.93 96.08,43.57 94.73,42.22 94.73,39.45 91.26,39.45 89.15,37.34 89.15,34.75 88.85,34.45 88.85,32.75 70.94,32.75 69.58,31.39 68.56,31.39 68.14,30.98 66.24,30.98 65.3,30.05 64.03,30.05 63.64,29.65 61.74,29.65 60.96,28.87 58.78,28.87 58.35,28.44 56.78,28.44 55.68,27.34 54.99,27.34 54.13,26.48 52.87,26.48 52.38,26 50.47,26 49.57,25.09 48.26,25.09 47.36,24.19 45.37,24.19 44.92,23.75 43.78,23.75 42.88,22.84 40.74,22.84 40.29,22.39 39.26,22.39 38.47,21.6 38.47,19.94 J7.7
Net-(J7-GCLK1/GPIO5): length 42.7
  Top w0.25: J7.29 66.33,19.86 66.33,21.52 67.2,22.39 68.47,22.39 69.4,23.33 71.31,23.33 71.72,23.75 72.75,23.75 74.1,25.1 89.65,25.1 89.65,24.82 91.22,23.25 95.77,23.25 96.48,22.54 96.48,20.64 97.29,19.83 99.01,19.83 J8.29
Net-(J7-GCLK2/GPIO6): length 41.1
  Top w0.25: J7.31 68.95,19.94 68.95,21.6 69.78,22.43 71.68,22.43 72.1,22.84 73.12,22.84 74.48,24.2 88.99,24.2 90.85,22.34 95.4,22.34 95.58,22.17 95.58,19 97.4,17.17 98.9,17.17 J8.31
Net-(J7-GPIO16): length 33.3
  Top w0.25: J7.36 73.94,22.39 73.94,23.03 74.66,23.75 78.89,23.75 80.83,21.82 80.83,16.76 83,14.58 83,14.59 83.59,14 83.59,14 84.63,12.95 97.22,12.95
Net-(J7-GPIO17): length 73.8
  Top w0.25: J8.11 99.08,42.75 97.41,42.75 96.08,41.42 96.08,38.49 95.7,38.1 91.82,38.1 90.5,36.79 90.5,34.19 90.2,33.89 90.2,31.99 89.75,31.54 89.75,31.4 71.49,31.4 70.14,30.05 69.11,30.05 68.7,29.63 66.8,29.63 65.86,28.69 64.59,28.69 64.2,28.3 62.3,28.3 61.52,27.52 59.34,27.52 58.91,27.09 57.34,27.09 56.24,26 55.55,26 54.69,25.13 53.42,25.13 52.93,24.64 51.03,24.64 50.13,23.75 48.82,23.75 47.92,22.84 45.93,22.84 45.47,22.38 45.33,22.38 45.32,22.39 44.34,22.39 43.55,21.6 43.55,19.94 J7.11
Net-(J7-GPIO22): length 65.7
  Top w0.25: J7.15 48.73,20.05 48.73,21.71 49.42,22.39 50.69,22.39 51.59,23.3 53.49,23.3 53.98,23.78 55.25,23.78 56.11,24.64 56.8,24.64 57.9,25.74 59.47,25.74 59.9,26.17 62.08,26.17 62.85,26.95 64.76,26.95 65.15,27.34 66.42,27.34 67.35,28.28 69.26,28.28 69.67,28.69 70.7,28.69 72.05,30.05 91.1,30.05 91.1,30.98 91.55,31.43 91.55,33.33 91.85,33.63 91.85,36.23 92.38,36.75 96.53,36.75 96.53,36.79 97.22,37.48 98.2,37.48 98.54,37.14 J8.15
Net-(J7-GPIO23): length 60.5
  Top w0.25: 47.57,21.22 49.19,22.84 50.5,22.84 51.4,23.75 53.31,23.75 53.8,24.23 55.06,24.23 55.92,25.09 56.61,25.09 57.71,26.19 59.28,26.19 59.71,26.62 61.89,26.62 62.67,27.4 64.57,27.4 64.97,27.8 66.23,27.8 67.17,28.73 69.07,28.73 69.49,29.14 70.51,29.14 71.87,30.5 90.65,30.5 90.65,31.17 91.1,31.62 91.1,33.52 91.4,33.82 91.4,36.41 92.19,37.2 96.07,37.2 J8.16
Net-(J7-GPIO24): length 57.3
  Top w0.25: J7.18 50.58,21.89 50.83,21.89 51.78,22.84 53.68,22.84 54.17,23.33 55.44,23.33 56.3,24.19 56.99,24.19 58.08,25.29 59.65,25.29 60.08,25.72 62.26,25.72 63.04,26.5 64.94,26.5 65.34,26.89 66.61,26.89 67.54,27.83 69.44,27.83 69.86,28.25 70.89,28.25 72.24,29.6 91.47,29.6 91.55,29.68 91.55,30.79 92,31.24 92,33.15 92.3,33.45 92.3,36.04 92.56,36.3 J8.18
Net-(J7-GPIO25): length 46.6
  Top w0.25: 55.23,21.22 56.86,22.84 57.55,22.84 58.58,23.88 60.15,23.88 60.64,24.37 62.82,24.37 63.6,25.15 65.5,25.15 65.9,25.55 67.17,25.55 68.1,26.48 70,26.48 70.42,26.89 71.44,26.89 72.8,28.25 92.03,28.25 92.34,28.57 95.06,28.57 J8.22
Net-(J7-ID_SC/GPIO1): length 38.2
  Top w0.25: 62.85,21.22 64.53,22.9 66.44,22.9 66.83,23.3 68.1,23.3 69.03,24.23 70.94,24.23 71.35,24.64 72.38,24.64 73.73,26 90.55,26 90.55,25.19 91.59,24.14 96.14,24.14 96.89,23.4 97.51,23.4
Net-(J7-ID_SD/GPIO0): length 43.6
  Top w0.25: J8.27 99.08,22.43 97.22,22.43 95.96,23.69 91.41,23.69 90.1,25 90.1,25.55 73.92,25.55 72.56,24.19 71.54,24.19 71.12,23.78 69.22,23.78 68.28,22.84 67.02,22.84 66.62,22.45 64.72,22.45 63.87,21.6 63.87,19.94 J7.27
Net-(J7-MISO0/GPIO9): length 55
  Top w0.25: J7.21 56.25,19.94 56.25,21.6 57.04,22.39 57.73,22.39 58.77,23.43 60.37,23.43 60.86,23.92 63.01,23.92 63.79,24.7 65.69,24.7 66.08,25.09 67.35,25.09 68.29,26.03 70.19,26.03 70.61,26.44 71.63,26.44 72.99,27.8 92.35,27.8 92.35,25.94 94.9,25.94 94.9,27.54 97.34,29.97 99,29.97 J8.21
Net-(J7-MOSI0/GPIO10): length 55.7
  Top w0.25: J8.19 98.91,32.42 97.19,32.42 95.78,31.02 93.05,31.02 92.45,30.42 92.45,29.31 91.84,28.7 72.61,28.7 71.26,27.34 70.23,27.34 69.82,26.93 67.91,26.93 66.98,26 65.71,26 65.32,25.6 63.41,25.6 62.64,24.82 60.46,24.82 60,24.36 58.43,24.36 57.36,23.3 56.67,23.3 55.81,22.43 54.54,22.43 53.71,21.6 53.71,19.94 J7.19
Net-(J7-PWM0/GPIO12): length 35
  Top w0.25: 67.93,21.22 69.59,22.88 71.49,22.88 71.91,23.3 72.94,23.3 74.29,24.65 89.2,24.65 89.2,24.63 91.03,22.8 95.58,22.8 96.03,22.35 96.03,20.21 J8.32
Net-(J7-PWM1/GPIO13): length 43
  Top w0.25: J7.33 71.59,20.05 73.26,20.05 74.12,20.91 74.12,21.93 74.39,22.21 74.39,22.84 74.85,23.3 78.7,23.3 80.38,21.63 80.38,16.57 84.45,12.5 96.99,12.5 97.32,12.17 98.1,12.17 99.06,13.13 99.06,14.79 J8.33
Net-(J7-SCLK0/GPIO11): length 50.7
  Top w0.25: J7.23 58.79,19.94 58.79,22.13 59.19,22.53 60.74,22.53 61.24,23.02 63.38,23.02 64.16,23.8 66.06,23.8 66.46,24.19 67.72,24.19 68.66,25.13 70.56,25.13 70.98,25.55 72,25.55 73.36,26.9 91.45,26.9 91.45,25.56 91.97,25.05 95.27,25.05 95.84,25.62 95.84,25.94 97.35,27.45 99.02,27.45 J8.23
Net-(J7-~{CE0}/GPIO8): length 46.5
  Top w0.25: J8.24 96.68,28.68 95.35,27.35 95.35,25.76 95.09,25.5 92.16,25.5 91.9,25.76 91.9,27.35 73.17,27.35 71.82,26 70.79,26 70.38,25.58 68.47,25.58 67.54,24.64 66.27,24.64 65.88,24.25 63.97,24.25 63.2,23.47 61.05,23.47 60.56,22.98 58.95,22.98 57.53,21.56
Net-(J7-~{CE1}/GPIO7): length 41.8
  Top w0.25: J8.26 96.16,24.59 91.78,24.59 91,25.37 91,26.45 73.55,26.45 72.19,25.09 71.16,25.09 70.75,24.68 68.85,24.68 67.91,23.75 66.64,23.75 66.25,23.35 64.35,23.35 63.57,22.57 61.42,22.57 J7.26
Net-(J8-out_L): length 148.2
  Top w0.25: J8.52 137.46,1.63 136.13,0.3 10.48,0.3 6.68,4.11 6.68,7.38 13.1,13.8 J12.T
Net-(J8-out_R): length 162.7
  Top w0.25: J11.T 17.7,34 17.7,12.5 14.37,9.17 14.37,2.65 15.12,1.9 17.35,1.9 18.76,3.31 25.31,3.31 30.8,8.8 66.99,8.8 69.95,5.84 80.16,5.84 83.33,2.67 86.75,2.67 89.92,5.84 93.14,5.84 94.11,4.87 96.76,4.87 96.78,4.85 97.57,5.64 100.24,5.64 101.74,4.14 131.55,4.14 J8.48
Net-(J15-Pin_1): length 96.4
  Top w0.25: J15.1 49.73,70.88 47.31,70.88 46.5,71.7 46.5,72.69 46.24,72.95 43.12,72.95 43.05,73.01 43.05,79.22 42.02,80.25 42.02,82.03 43.05,83.06 43.05,86.39 53.78,97.11 67.39,97.11 J17.T J17.TN
  Bottom w0.25: J15.1 52.34,70.81 52.34,66.38 54.58,64.13 69.57,64.13 L2.1 ; J17.TN 71.5,91.81 72.86,90.46 72.89,90.5 J2.5
Net-(J15-Pin_2): length 62.9
  Top w0.25: J2.2 69.69,93 66.03,96.66 53.96,96.66 43.51,86.2 43.51,81.33 ; 43.51,81.27 43.51,73.4 47.21,73.4 J15.2
  Bottom w0.25: J17.S 74.97,99.53 74.97,93.97 J2.2
Net-(J15-Pin_3): length 77.9
  Top w0.25: J17.R J17.RN 76.5,92.72 76.56,92.66 74.39,90.5 J2.4 69.01,93.05 65.85,96.21 54.15,96.21 43.95,86.01 43.95,83.06 44.74,82.28 44.74,79.84 43.95,79.05 43.95,73.85 47.4,73.85 47.84,73.41 52.17,73.41 52.17,70.78 J15.3 56.48,69.61
Net-(J15-Pin_4): length 119.2
  Top w0.25: L4.1 68.93,59.02 66.21,61.74 62.28,61.74 62.28,62.86 61.59,63.55 60.65,63.55 59.98,62.88 58.31,62.88 54.81,66.37 54.83,66.38 54.83,67.31 53.7,68.44 49.64,68.44 J15.4 ; 47.95,69.61 46.05,71.51 46.05,72.5 42.93,72.5 42.6,72.83 42.6,79.03 41.58,80.06 41.58,82.21 42.6,83.24 42.6,86.57 53.59,97.56 88.94,97.56 J16.T J16.TN
  Bottom w0.25: J1.5 94.42,90.5 93.5,91.41 J16.TN
Net-(J15-Pin_6): length 104.5
  Top w0.25: J16.RN J16.R ; J16.RN 98.5,92 97,90.5 J1.4 ; J16.RN 95.99,98.01 53.41,98.01 42.16,86.76 ; 42.16,86.76 42.16,83.43 41.12,82.4 41.12,79.88 42.16,78.85 42.16,72.64 42.74,72.05 45.6,72.05 45.6,71.33 46.88,70.05 46.88,68.65 J15.6 ; 42.16,86.76 41.66,86.76 39.5,84.6
Net-(L1-Pad2): length 4.2
  Bottom w0.25: R1.1 56.6,57.7 L1.2
Net-(L3-Pad2): length 13.7
  Top w0.25: 39.5,74.4 39.5,72.55 40.31,71.73 40.31,64.15 38.11,61.95
Net-(L4-Pad2): length 3.4
  Bottom w0.25: L4.2 R4.1
Net-(U1-ADC_VREF): length 64.2
  Bottom w0.25: 155.25,91.57 122.9,91.57 117.62,86.3 94.78,86.3 94.43,85.95 U1.35
Net-(U1-AGND): length 104.5
  Bottom w0.25: J3.RN 166.11,79.11 166.11,88.99 ; J3.S 166.11,88.99 ; 166.11,88.99 166.04,88.92 161.25,88.92 159.42,90.76 158.25,90.76 156.42,88.92 154.98,88.92 152.78,91.12 123.08,91.12 117.81,85.85 108.96,85.85 108.54,85.43 108.54,83.95 108.15,83.56 105.68,83.56 103.42,81.3 92.94,81.3 U1.33
Net-(U1-GPIO8): length 26.6
  Bottom w0.25: U1.11 80.56,65.94 78.57,65.94 73.49,60.85 67.99,60.85 66.25,59.11 66.25,53.73 66.99,52.99 F2.2
Net-(U1-GPIO9): length 24.5
  Bottom w0.25: 65.05,51.61 65.05,52.95 65.8,53.7 65.8,59.3 67.8,61.3 73.3,61.3 79.11,67.11
Net-(U1-GPIO28_ADC2): length 74.2
  Bottom w0.25: 161.96,91.21 158.46,91.21 158.46,91.22 156.66,93.03 154.86,93.03 153.85,92.02 122.71,92.02 117.44,86.75 93.75,86.75 U1.34
Net-(U3-A): length 6.2
  Top w0.25: U3.1 54.47,77.3 56.5,79.33 R5.2

## Copper pours and planes (outline as drawn; the poured copper is in the pictures)
+5VP on Top: 38.01,105 0,105 0.01,0.01 170.01,0.01 170.01,105.01 110,105.01 110,89 60,89 60,105.01
/Audio/GND_in_L on Top, Bottom: 135.15,46.34 135.15,48.86 129.26,48.88 129.24,40.48 142.91,26.8 151.5,26.78 151.5,11.51 170.11,11.41 170,26.75 169.98,31.9 151.2,31.9 151.22,39.1 149,39.08 143.91,39.08 140.93,42.03 140.95,46.32
/Audio/GND_in_R on Top, Bottom: 136.01,48.9 129.27,49.01 129.19,53.56 132.84,57 148.59,57 152.92,52.67 170,52.67 169.99,32.39 151.67,32.39 151.66,46.05 147.81,50.02 143.96,49.97 140.89,46.72 136.84,46.72 135.92,47.01
/Audio/GND_out on Top, Bottom: 0,0 -0.05,10.46 -0.06,52.99 -0.42,52.64 18.7,52.64 19.78,51.66 19.78,18.93 23.13,15.58 68.31,15.81 77.52,6.84 79.85,6.83 82.25,10.05 89.35,10.05 90.6,7 95,7 95.35,6.67 104.95,6.63 111.23,13.16 138.7,13.19 142.49,9.4 142.49,0
GND on Bottom: 0,105 0,0 170,0 170,104.8 169.8,105 110,105 110,89 60,89 60,105
/Power Supply/power_input_gnd on Top: 170,105 135.77,105 132.22,101.45 132.22,67.8 127.88,67.8 114.47,54.65 114.58,51 121.86,51 134.48,63.14 142.32,63.19 150.1,70.49 150.1,91.2 170,91.2

## Text on the board
B.Silkscreen: Data out | GND | OUT | out | LED OUT | ${TITLE} / ${COMPANY} / BCB: ${REVISION} | IN | 5V PSU | VREF | +5V | in | MIDI
User.Drawings: Area for (example) / - Swithes / - Alternative I/O
F.Silkscreen: ${TITLE} / ${COMPANY} / BCB: ${REVISION} | MIDI / IN | MIDI / OUT | OUT R | OUT L | IN L | IN R | EXP
